# Altium PCB ebox-SPARK-拼板.PcbDoc (part 2 of 3)
Units mm, origin at the board's own origin, x right, y up, seen from the top; angles counter-clockwise.
Board outline 102 x 90 mm, 2 copper layers (Top Layer, Bottom Layer); 141 components, 68 nets, 621 pads, 146 vias.
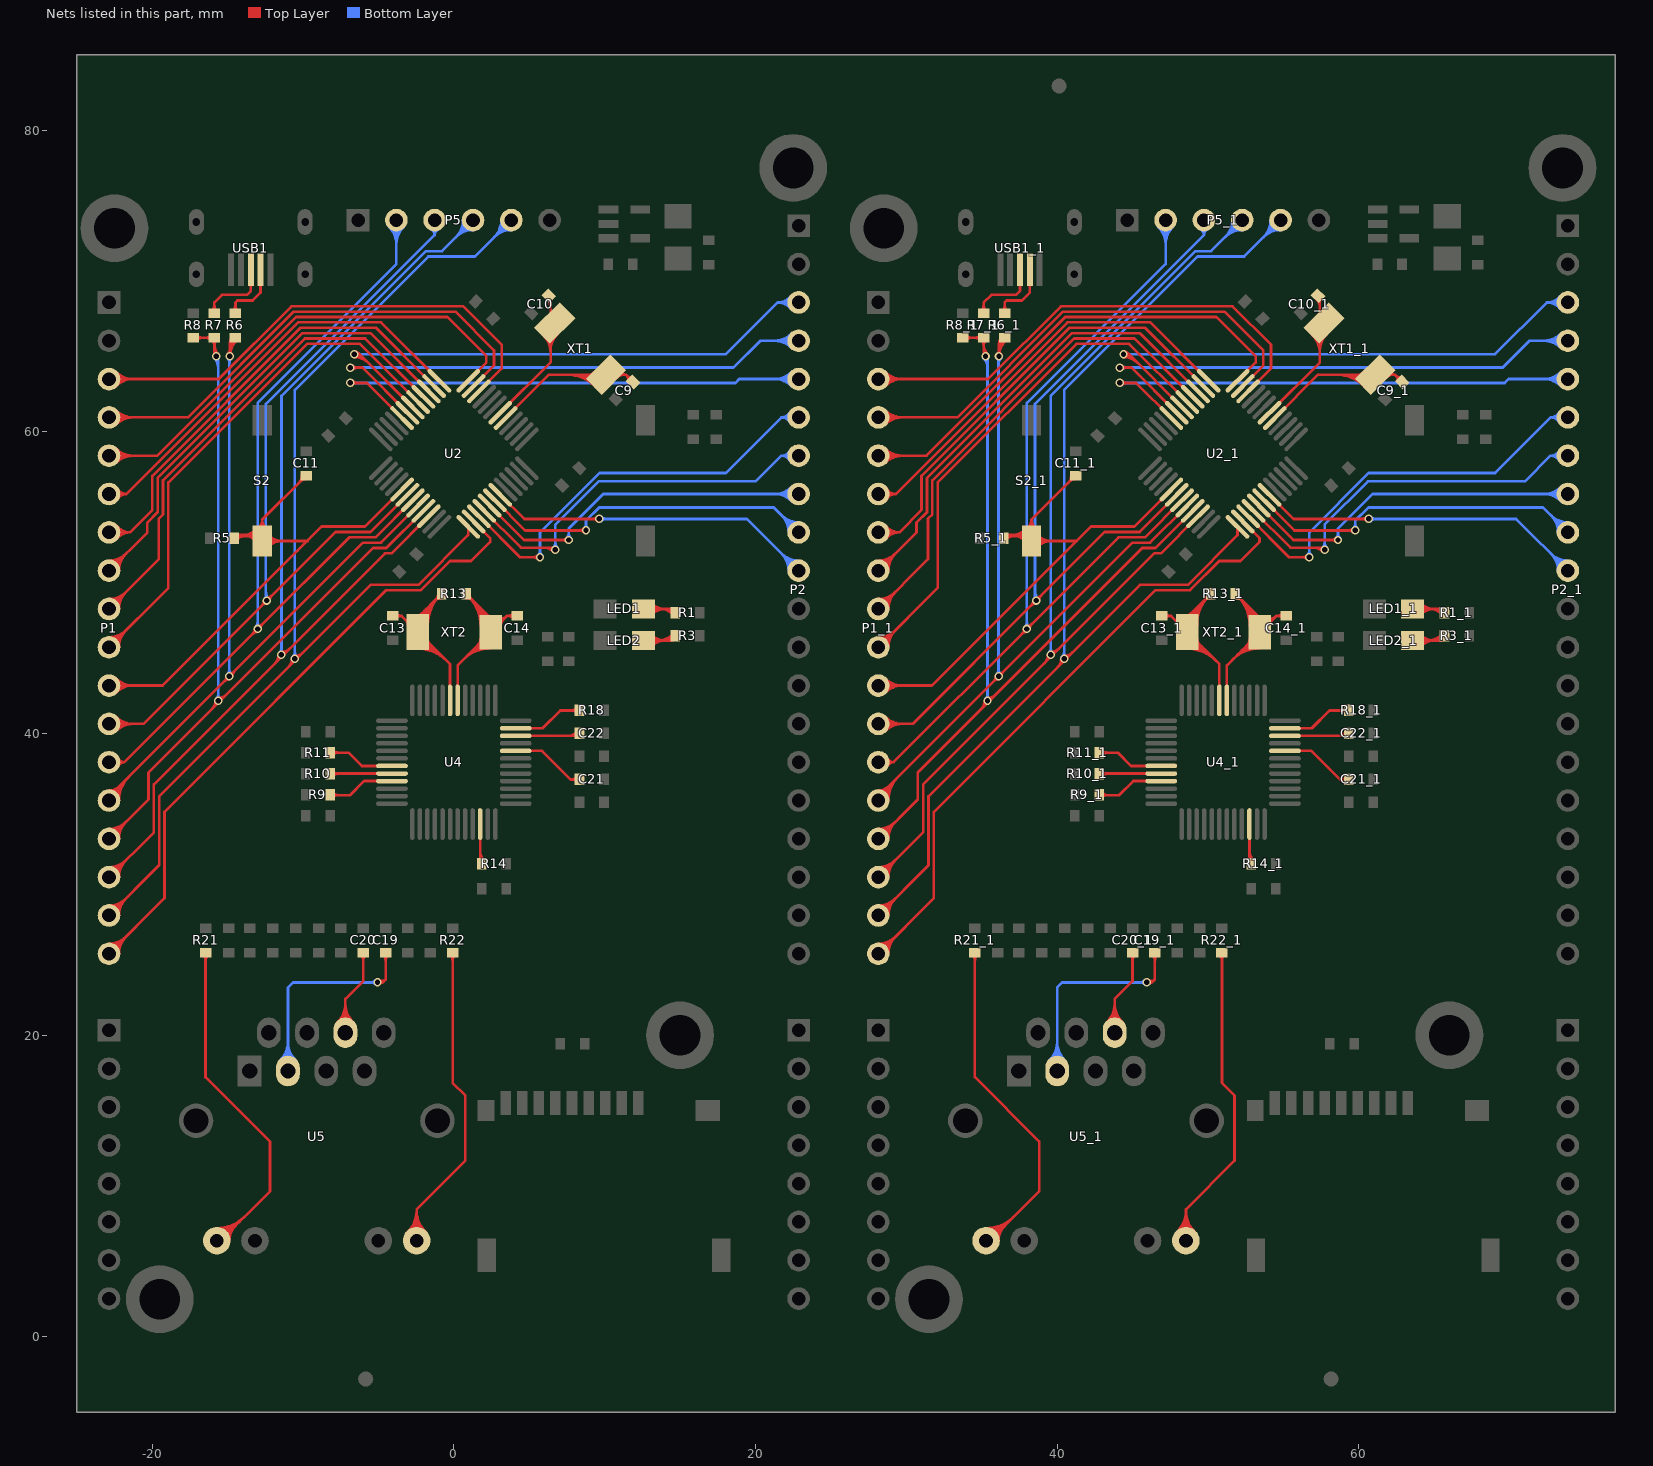
[diagram p2: the nets of this part, all layers, seen from the top]

## Via types
v1: diameter 0.559, hole 0.356, Top Layer to Bottom Layer, tented both sides, 140 vias
v2: diameter 1, hole 1, Top Layer to Bottom Layer, tented both sides, 4 vias
v3: diameter 1.27, hole 0.711, Top Layer to Bottom Layer, tented both sides, 2 vias

## Nets (pads, with @x,y where several pads share a name; then routed paths per layer and width w, separated by ;. In a path a pad name is that pad's centre, name@x,y a point inside that pad or via, vN(x,y) a via of type N, cw(c..) or ccw(c..) an arc to the next point about the centre after c; other vN are vias at no path point) (continued)
NetC9_1: C9.1 C9_1.1 U2.5 U2_1.5 XT1.1 XT1_1.1 | length 37.6
  Top Layer w0.178: U2.5@3.429,60.916 6.303,63.79 XT1.1@10.088,63.79 11.401,63.79 ; 7.527,63.79 cw(c7.527,61.228) XT1.1@9.338,63.04 ; 7.956,63.79 cw(c7.956,61.657) XT1.1@9.464,63.165 ; 8.385,63.79 cw(c8.385,62.087) XT1.1@9.589,63.291 ; 8.814,63.79 cw(c8.814,62.516) XT1.1@9.715,63.417 ; 8.892,63.79 ccw(c8.892,64.42) XT1.1@9.338,63.974 ; XT1.1@10.839,63.605 cw(c11.284,63.159) 11.284,63.79 ; XT1.1@10.853,64.115 ccw(c11.207,64.145) 11.207,63.79 ; XT1.1@11.03,64.13 ccw(c11.401,64.162) 11.401,63.79 ; C9.1@11.604,63.358 ccw(c11.052,63.358) 11.443,63.748 ccw(c11.833,64.138) C9.1@11.833,63.586 ; C9.1@11.878,63.313 11.401,63.79 ; U2_1.5@54.429,60.916 57.303,63.79 XT1_1.1@61.088,63.79 62.401,63.79 ; 58.527,63.79 cw(c58.527,61.228) XT1_1.1@60.338,63.04 ; 58.956,63.79 cw(c58.956,61.657) XT1_1.1@60.464,63.165 ; 59.385,63.79 cw(c59.385,62.087) XT1_1.1@60.589,63.291 ; 59.814,63.79 cw(c59.814,62.516) XT1_1.1@60.715,63.417 ; 59.892,63.79 ccw(c59.892,64.42) XT1_1.1@60.338,63.974 ; XT1_1.1@61.839,63.605 cw(c62.284,63.159) 62.284,63.79 ; XT1_1.1@61.853,64.115 ccw(c62.207,64.145) 62.207,63.79 ; XT1_1.1@62.03,64.13 ccw(c62.401,64.162) 62.401,63.79 ; C9_1.1@62.604,63.358 ccw(c62.052,63.358) 62.443,63.748 ccw(c62.833,64.138) C9_1.1@62.833,63.586 ; C9_1.1@62.878,63.313 62.401,63.79
NetC10_1: C10.1 C10_1.1 U2.6 U2_1.6 XT1.2 XT1_1.2 | length 30.8
  Top Layer w0.178: U2.6@3.076,61.269 6.417,64.61 6.417,68.647 6.417,68.901 C10.1@6.29,69.028 ; XT1.2@5.908,66.435 cw(c4.68,65.207) 6.417,65.207 ; XT1.2@6.034,66.56 cw(c5.109,65.636) 6.417,65.636 ; XT1.2@6.159,66.686 cw(c5.538,66.065) XT1.2@6.417,66.065 ; C10.1@6.173,68.821 cw(c5.585,68.233) 6.417,68.233 ; C10.1@6.299,68.947 cw(c6.014,68.662) C10.1@6.417,68.662 ; 6.417,65.406 cw(c7.872,65.406) XT1.2@6.843,66.435 ; 6.417,65.835 cw(c7.443,65.835) XT1.2@6.717,66.56 ; C10.1@6.417,68.629 cw(c6.688,68.629) C10.1@6.496,68.821 ; U2_1.6@54.076,61.269 57.417,64.61 57.417,68.647 57.417,68.901 C10_1.1@57.29,69.028 ; XT1_1.2@56.908,66.435 cw(c55.68,65.207) 57.417,65.207 ; XT1_1.2@57.034,66.56 cw(c56.109,65.636) 57.417,65.636 ; XT1_1.2@57.159,66.686 cw(c56.538,66.065) XT1_1.2@57.417,66.065 ; C10_1.1@57.173,68.821 cw(c56.585,68.233) 57.417,68.233 ; C10_1.1@57.299,68.947 cw(c57.014,68.662) C10_1.1@57.417,68.662 ; 57.417,65.406 cw(c58.872,65.406) XT1_1.2@57.843,66.435 ; 57.417,65.835 cw(c58.443,65.835) XT1_1.2@57.717,66.56 ; C10_1.1@57.417,68.629 cw(c57.688,68.629) C10_1.1@57.496,68.821
NetC13_2: C13.2 C13_1.2 R13.2 R13_1.2 U4.31 U4_1.31 XT2.2 XT2_1.2 | length 55.4
  Top Layer w0.178: C13.2@-4.064,47.803 -3.454,47.803 ; C13.2@-3.838,47.642 cw(c-3.454,47.265) -3.454,47.803 ; C13.2@-3.838,47.963 ccw(c-3.454,48.341) -3.454,47.803 ; -3.198,47.546 cw(c-3.558,47.186) XT2.2@-3.049,47.186 ; XT2.2@-2.438,47.186 cw(c-1.315,47.186) -2.109,47.98 ; XT2.2@-2.388,45.625 cw(c-2.388,42.942) -0.491,44.839 ; XT2.2@-2.388,45.803 cw(c-2.388,43.55) -0.794,45.143 ; XT2.2@-2.388,45.98 cw(c-2.388,44.157) -1.098,45.446 ; XT2.2@-2.388,46.158 cw(c-2.388,44.764) -1.401,45.75 ; XT2.2@-2.388,47.847 ccw(c-2.388,48.199) -2.139,47.95 ; XT2.2@-2.26,47.186 cw(c-0.708,47.186) -1.805,48.283 ; XT2.2@-2.082,47.186 cw(c-0.101,47.186) -1.502,48.587 ; XT2.2@-1.904,47.186 cw(c0.506,47.186) -1.198,48.891 ; XT2.2@-1.727,46.286 ccw(c-1.217,46.286) -1.577,45.926 ; XT2.2@-1.727,47.186 cw(c1.113,47.186) R13.2@-0.895,49.194 ; -1.311,48.777 cw(c-0.813,48.279) R13.2@-0.813,48.984 ; -1.158,48.931 ccw(c-1.44,49.212) R13.2@-1.041,49.212 ; R13.2@-0.813,49.276 -2.388,47.701 XT2.2@-2.388,46.736 ; U4.31@-0.25,42.2 -0.25,44.598 XT2.2@-2.388,46.736 ; C13_1.2@46.936,47.803 47.546,47.803 XT2_1.2@48.612,46.736 ; C13_1.2@47.162,47.642 cw(c47.546,47.265) 47.546,47.803 cw(c47.546,48.341) C13_1.2@47.162,47.963 ; 47.802,47.546 cw(c47.442,47.186) XT2_1.2@47.951,47.186 ; XT2_1.2@48.562,47.186 cw(c49.685,47.186) 48.891,47.98 ; XT2_1.2@48.612,45.625 cw(c48.612,42.942) 50.509,44.839 ; XT2_1.2@48.612,45.803 cw(c48.612,43.55) 50.206,45.143 ; XT2_1.2@48.612,45.98 cw(c48.612,44.157) 49.902,45.446 ; XT2_1.2@48.612,46.158 cw(c48.612,44.764) 49.599,45.75 ; XT2_1.2@48.612,47.847 ccw(c48.612,48.199) 48.861,47.95 ; XT2_1.2@48.74,47.186 cw(c50.292,47.186) 49.195,48.283 ; XT2_1.2@48.918,47.186 cw(c50.899,47.186) 49.498,48.587 ; XT2_1.2@49.096,47.186 cw(c51.506,47.186) 49.802,48.891 ; XT2_1.2@49.273,46.286 ccw(c49.783,46.286) 49.423,45.926 ; XT2_1.2@49.273,47.186 cw(c52.113,47.186) R13_1.2@50.105,49.194 ; 49.689,48.777 cw(c50.187,48.279) R13_1.2@50.187,48.984 ; 49.842,48.931 ccw(c49.56,49.212) R13_1.2@49.959,49.212 ; R13_1.2@50.187,49.276 48.612,47.701 XT2_1.2@48.612,46.736 ; U4_1.31@50.75,42.2 50.75,44.598 XT2_1.2@48.612,46.736 ; -3.454,47.803 XT2.2@-2.388,46.736
NetC14_1: C14.1 C14_1.1 R13.1 R13_1.1 U4.30 U4_1.30 XT2.1 XT2_1.1 | length 60.2
  Top Layer w0.178: U4.30@0.25,42.2 0.25,44.522 XT2.1@2.438,46.711 ; 0.627,44.899 cw(c2.438,43.088) XT2.1@2.438,45.649 ; R13.1@0.813,48.984 cw(c0.813,48.279) 1.311,48.777 ; R13.1@0.813,49.276 2.438,47.65 XT2.1@2.438,46.711 ; R13.1@0.928,49.161 cw(c-1.122,47.111) XT2.1@1.777,47.111 ; 0.931,45.203 cw(c2.438,43.695) XT2.1@2.438,45.827 ; R13.1@1.041,49.212 ccw(c1.44,49.212) 1.158,48.931 ; 1.232,48.857 cw(c-0.515,47.111) XT2.1@1.955,47.111 ; 1.234,45.506 cw(c2.438,44.302) XT2.1@2.438,46.005 ; 1.535,48.554 cw(c0.092,47.111) XT2.1@2.133,47.111 ; 1.538,45.81 cw(c2.438,44.909) XT2.1@2.438,46.183 ; 1.593,45.865 ccw(c1.147,46.311) XT2.1@1.777,46.311 ; 1.839,48.25 cw(c0.699,47.111) XT2.1@2.311,47.111 ; 2.142,47.947 cw(c1.306,47.111) XT2.1@2.489,47.111 ; XT2.1@2.231,47.857 ccw(c2.438,48.065) XT2.1@2.438,47.772 ; XT2.1@2.585,47.379 ccw(c2.831,47.83) 3.194,47.467 ; XT2.1@2.67,47.535 ccw(c2.949,48.048) 3.363,47.635 ; XT2.1@2.755,47.691 ccw(c3.068,48.265) 3.531,47.803 ; XT2.1@3.099,47.111 cw(c3.73,47.111) 3.284,47.556 ; C14.1@3.966,47.641 ccw(c3.576,47.251) 3.576,47.803 ccw(c3.576,48.355) C14.1@3.966,47.964 ; C14.1@4.191,47.803 3.531,47.803 ; U4_1.30@51.25,42.2 51.25,44.522 XT2_1.1@53.438,46.711 ; 51.627,44.899 cw(c53.438,43.088) XT2_1.1@53.438,45.649 ; R13_1.1@51.813,48.984 cw(c51.813,48.279) 52.311,48.777 ; R13_1.1@51.813,49.276 53.438,47.65 XT2_1.1@53.438,46.711 ; R13_1.1@51.928,49.161 cw(c49.878,47.111) XT2_1.1@52.777,47.111 ; 51.931,45.203 cw(c53.438,43.695) XT2_1.1@53.438,45.827 ; R13_1.1@52.041,49.212 ccw(c52.44,49.212) 52.158,48.931 ; 52.232,48.857 cw(c50.485,47.111) XT2_1.1@52.955,47.111 ; 52.234,45.506 cw(c53.438,44.302) XT2_1.1@53.438,46.005 ; 52.535,48.554 cw(c51.092,47.111) XT2_1.1@53.133,47.111 ; 52.538,45.81 cw(c53.438,44.909) XT2_1.1@53.438,46.183 ; 52.593,45.865 ccw(c52.147,46.311) XT2_1.1@52.777,46.311 ; 52.839,48.25 cw(c51.699,47.111) XT2_1.1@53.311,47.111 ; 53.142,47.947 cw(c52.306,47.111) XT2_1.1@53.489,47.111 ; XT2_1.1@53.231,47.857 ccw(c53.438,48.065) XT2_1.1@53.438,47.772 ; XT2_1.1@53.585,47.379 ccw(c53.831,47.83) 54.194,47.467 ; XT2_1.1@53.67,47.535 ccw(c53.949,48.048) 54.363,47.635 ; XT2_1.1@53.755,47.691 ccw(c54.068,48.265) 54.531,47.803 ; XT2_1.1@54.099,47.111 cw(c54.73,47.111) 54.284,47.556 ; C14_1.1@54.966,47.641 ccw(c54.576,47.251) 54.576,47.803 ccw(c54.576,48.355) C14_1.1@54.966,47.964 ; C14_1.1@55.191,47.803 54.531,47.803 ; XT2.1@2.438,46.711 3.531,47.803 ; XT2_1.1@53.438,46.711 54.531,47.803
NetC19_1: C19.1 C19_1.1 U5.3 U5_1.3 | length 44.8
  Top Layer w0.178: v1(-5.061,23.509) -4.711,23.509 -4.521,23.698 ; v1@-5.054,23.519 ccw(c-4.88,23.761) -4.669,23.55 ; v1@-4.95,23.663 ccw(c-4.756,23.933) -4.521,23.698 ; C19.1@-4.683,25.315 cw(c-5.073,24.924) -4.521,24.924 cw(c-3.969,24.924) C19.1@-4.36,25.315 ; C19.1@-4.521,25.476 -4.521,23.698 ; v1(45.939,23.509) 46.289,23.509 46.479,23.698 ; v1@45.946,23.519 ccw(c46.12,23.761) 46.331,23.55 ; v1@46.05,23.663 ccw(c46.244,23.933) 46.479,23.698 ; C19_1.1@46.317,25.315 cw(c45.927,24.924) 46.479,24.924 cw(c47.031,24.924) C19_1.1@46.64,25.315 ; C19_1.1@46.479,25.476 46.479,23.698
  Bottom Layer w0.178: U5.3@-11.493,18.35 ccw(c-12.685,19.543) -10.999,19.543 ccw(c-9.312,19.543) U5.3@-10.505,18.35 ; U5.3@-11.367,18.224 ccw(c-12.256,19.113) -10.999,19.113 ccw(c-9.742,19.113) U5.3@-10.63,18.224 ; U5.3@-11.241,18.099 ccw(c-11.826,18.684) -10.999,18.684 ccw(c-10.171,18.684) U5.3@-10.756,18.099 ; U5.3@-10.999,17.628 -10.999,23.164 -10.668,23.495 -5.064,23.495 -5.061,23.498 v1(-5.061,23.509) ; -5.554,23.495 ccw(c-5.554,24.001) v1@-5.196,23.643 ; -5.488,23.495 cw(c-5.488,23.081) v1@-5.196,23.374 ; U5_1.3@39.507,18.35 ccw(c38.315,19.543) 40.001,19.543 ccw(c41.688,19.543) U5_1.3@40.495,18.35 ; U5_1.3@39.633,18.224 ccw(c38.744,19.113) 40.001,19.113 ccw(c41.258,19.113) U5_1.3@40.37,18.224 ; U5_1.3@39.759,18.099 ccw(c39.174,18.684) 40.001,18.684 ccw(c40.829,18.684) U5_1.3@40.244,18.099 ; U5_1.3@40.001,17.628 40.001,23.164 40.332,23.495 45.936,23.495 45.939,23.498 v1(45.939,23.509) ; 45.446,23.495 ccw(c45.446,24.001) v1@45.804,23.643 ; 45.512,23.495 cw(c45.512,23.081) v1@45.804,23.374
NetC20_1: C20.1 C20_1.1 U5.6 U5_1.6 | length 29.6
  Top Layer w0.178: U5.6@-7.683,20.89 ccw(c-8.875,22.083) -7.189,22.083 ccw(c-5.502,22.083) U5.6@-6.695,20.89 ; U5.6@-7.557,20.764 ccw(c-8.446,21.653) -7.189,21.653 ccw(c-5.932,21.653) U5.6@-6.82,20.764 ; U5.6@-7.431,20.639 ccw(c-8.016,21.224) -7.189,21.224 ccw(c-6.361,21.224) U5.6@-6.946,20.639 ; U5.6@-7.189,20.168 -7.189,22.402 -6.003,23.588 C20.1@-6.003,25.476 -6.003,24.13 ; U5_1.6@43.317,20.89 ccw(c42.125,22.083) 43.811,22.083 ccw(c45.498,22.083) U5_1.6@44.305,20.89 ; U5_1.6@43.443,20.764 ccw(c42.554,21.653) 43.811,21.653 ccw(c45.068,21.653) U5_1.6@44.18,20.764 ; U5_1.6@43.569,20.639 ccw(c42.984,21.224) 43.811,21.224 ccw(c44.639,21.224) U5_1.6@44.054,20.639 ; U5_1.6@43.811,20.168 43.811,22.402 44.997,23.588 C20_1.1@44.997,25.476 44.997,24.13 ; -6.003,24.924 cw(c-5.451,24.924) -5.841,25.315 ccw(c-5.451,24.924) -6.003,24.924 ; -6.003,24.924 ccw(c-6.555,24.924) -6.165,25.315 cw(c-6.555,24.924) -6.003,24.924 ; 44.997,24.924 cw(c45.549,24.924) 45.159,25.315 ccw(c45.549,24.924) 44.997,24.924 ; 44.997,24.924 ccw(c44.445,24.924) 44.835,25.315 cw(c44.445,24.924) 44.997,24.924
NetC21_2: C21.2 C21_1.2 U4.20 U4_1.20 | length 11.8
  Top Layer w0.178: U4.20@4.1,38.85 5.854,38.85 7.747,36.957 C21.2@8.331,36.957 ; C21.2@8.17,36.795 ccw(c7.779,36.405) 7.779,36.957 ccw(c7.779,37.509) C21.2@8.17,37.119 ; U4_1.20@55.1,38.85 56.854,38.85 58.747,36.957 C21_1.2@59.331,36.957 ; C21_1.2@59.17,36.795 ccw(c58.779,36.405) 58.779,36.957 ccw(c58.779,37.509) C21_1.2@59.17,37.119
NetC22_2: C22.2 C22_1.2 U4.22 U4_1.22 | length 11
  Top Layer w0.178: U4.22@4.1,39.85 8.176,39.85 C22.2@8.331,40.005 ; 7.558,39.85 ccw(c7.558,40.714) C22.2@8.17,40.103 ; 7.988,39.85 ccw(c7.988,40.285) C22.2@8.295,39.977 ; 8,39.85 cw(c8,39.611) C22.2@8.17,39.78 ; U4_1.22@55.1,39.85 59.176,39.85 C22_1.2@59.331,40.005 ; 58.558,39.85 ccw(c58.558,40.714) C22_1.2@59.17,40.103 ; 58.988,39.85 ccw(c58.988,40.285) C22_1.2@59.295,39.977 ; 59,39.85 cw(c59,39.611) C22_1.2@59.17,39.78
NetLED1_A: LED1.A LED1_1.A R1.2 R1_1.2 | length 13.6
  Top Layer w0.178: LED1.A@12.573,48.26 R1.2@14.427,48.26 ; LED1.A@12.963,48.007 cw(c13.575,47.395) 13.575,48.26 cw(c13.575,49.125) LED1.A@12.963,48.513 ; LED1.A@13.089,47.881 cw(c14.004,46.966) 14.004,48.26 cw(c14.004,49.554) LED1.A@13.089,48.639 ; 13.669,48.26 cw(c13.669,47.058) R1.2@14.52,47.908 ; 14.099,48.26 cw(c14.099,47.487) R1.2@14.645,48.034 ; LED1_1.A@63.573,48.26 R1_1.2@65.427,48.26 ; LED1_1.A@63.963,48.007 cw(c64.575,47.395) 64.575,48.26 cw(c64.575,49.125) LED1_1.A@63.963,48.513 ; LED1_1.A@64.089,47.881 cw(c65.004,46.966) 65.004,48.26 cw(c65.004,49.554) LED1_1.A@64.089,48.639 ; 64.669,48.26 cw(c64.669,47.058) R1_1.2@65.52,47.908 ; 65.099,48.26 cw(c65.099,47.487) R1_1.2@65.645,48.034
NetLED2_A: LED2.A LED2_1.A R3.2 R3_1.2 | length 15.9
  Top Layer w0.178: LED2.A@12.573,46.164 14.364,46.164 R3.2@14.681,46.482 ; LED2.A@12.963,45.911 cw(c13.575,45.299) 13.575,46.164 cw(c13.575,47.03) LED2.A@12.963,46.418 ; LED2.A@13.089,45.785 cw(c14.004,44.87) 14.004,46.164 cw(c14.004,47.459) LED2.A@13.089,46.544 ; 13.516,46.164 ccw(c13.516,47.584) R3.2@14.52,46.58 ; 13.945,46.164 ccw(c13.945,47.154) R3.2@14.645,46.454 ; R3.2@14.375,46.164 ccw(c14.375,46.725) R3.2@14.771,46.329 ; LED2_1.A@63.573,46.164 65.364,46.164 R3_1.2@65.681,46.482 ; LED2_1.A@63.963,45.911 cw(c64.575,45.299) 64.575,46.164 cw(c64.575,47.03) LED2_1.A@63.963,46.418 ; LED2_1.A@64.089,45.785 cw(c65.004,44.87) 65.004,46.164 cw(c65.004,47.459) LED2_1.A@64.089,46.544 ; 64.516,46.164 ccw(c64.516,47.584) R3_1.2@65.52,46.58 ; 64.945,46.164 ccw(c64.945,47.154) R3_1.2@65.645,46.454 ; R3_1.2@65.375,46.164 ccw(c65.375,46.725) R3_1.2@65.771,46.329
NetR6_2: R6.2 R6_1.2 USB1.2 USB1_1.2 | length 11.2
  Top Layer w0.178: R6.2@-14.64,68.03 ccw(c-15.03,68.421) -14.478,68.421 ccw(c-13.926,68.421) R6.2@-14.316,68.03 ; R6.2@-14.478,67.869 -14.478,68.58 -14.351,68.707 -13.335,68.707 -12.812,69.23 USB1.2@-12.812,70.881 ; USB1.2@-12.891,69.8 cw(c-13.08,69.611) -12.812,69.611 cw(c-12.544,69.611) USB1.2@-12.733,69.8 ; R6_1.2@36.36,68.03 ccw(c35.97,68.421) 36.522,68.421 ccw(c37.074,68.421) R6_1.2@36.684,68.03 ; R6_1.2@36.522,67.869 36.522,68.58 36.649,68.707 37.665,68.707 38.188,69.23 USB1_1.2@38.188,70.881 ; USB1_1.2@38.109,69.8 cw(c37.92,69.611) 38.188,69.611 cw(c38.456,69.611) USB1_1.2@38.267,69.8
NetR7_2: R7.2 R7_1.2 USB1.3 USB1_1.3 | length 12.5
  Top Layer w0.178: R7.2@-16.037,68.03 ccw(c-16.427,68.421) -15.875,68.421 ccw(c-15.323,68.421) R7.2@-15.713,68.03 ; R7.2@-15.875,67.869 -15.875,68.58 -15.367,69.088 -13.716,69.088 -13.462,69.342 USB1.3@-13.462,70.881 ; USB1.3@-13.541,69.8 cw(c-13.73,69.611) -13.462,69.611 cw(c-13.194,69.611) USB1.3@-13.383,69.8 ; R7_1.2@34.963,68.03 ccw(c34.573,68.421) 35.125,68.421 ccw(c35.677,68.421) R7_1.2@35.287,68.03 ; R7_1.2@35.125,67.869 35.125,68.58 35.633,69.088 37.284,69.088 37.538,69.342 USB1_1.3@37.538,70.881 ; USB1_1.3@37.459,69.8 cw(c37.27,69.611) 37.538,69.611 cw(c37.806,69.611) USB1_1.3@37.617,69.8
NetR9_1: R9.1 R9_1.1 U4.45 U4_1.45 | length 10.7
  Top Layer w0.178: R9.1@-8.204,35.909 -6.89,35.909 -5.949,36.85 U4.45@-4.1,36.85 ; R9.1@-8.043,35.779 cw(c-7.729,35.466) -7.729,35.909 ; R9.1@-8.043,36.103 ccw(c-7.576,36.57) -7.576,35.909 ; R9_1.1@42.796,35.909 44.11,35.909 45.051,36.85 U4_1.45@46.9,36.85 ; R9_1.1@42.957,35.779 cw(c43.271,35.466) 43.271,35.909 ; R9_1.1@42.957,36.103 ccw(c43.424,36.57) 43.424,35.909
NetR10_1: R10.1 R10_1.1 U4.44 U4_1.44 | length 10
  Top Layer w0.178: R10.1@-8.204,37.338 -8.192,37.35 U4.44@-4.1,37.35 ; R10.1@-8.043,37.176 cw(c-7.623,36.757) -7.623,37.35 ; R10.1@-8.043,37.5 ccw(c-7.681,37.861) -7.681,37.35 ; R10_1.1@42.796,37.338 42.808,37.35 U4_1.44@46.9,37.35 ; R10_1.1@42.957,37.176 cw(c43.377,36.757) 43.377,37.35 ; R10_1.1@42.957,37.5 ccw(c43.319,37.861) 43.319,37.35
NetR11_1: R11.1 R11_1.1 U4.43 U4_1.43 | length 10.7
  Top Layer w0.178: R11.1@-8.204,38.735 -6.985,38.735 -6.1,37.85 U4.43@-4.1,37.85 ; R11.1@-8.043,38.573 cw(c-7.652,38.183) -7.652,38.735 cw(c-7.652,39.287) R11.1@-8.043,38.897 ; R11_1.1@42.796,38.735 44.015,38.735 44.9,37.85 U4_1.43@46.9,37.85 ; R11_1.1@42.957,38.573 cw(c43.348,38.183) 43.348,38.735 cw(c43.348,39.287) R11_1.1@42.957,38.897
NetR14_1: R14.1 R14_1.1 U4.10 U4_1.10 | length 7.3
  Top Layer w0.178: R14.1@1.693,31.594 ccw(c1.554,31.733) R14.1@1.75,31.733 ; R14.1@1.75,31.6 U4.10@1.75,34 ; 1.75,31.807 ccw(c2.228,31.807) R14.1@1.89,31.468 ; 1.75,32.236 ccw(c2.658,32.236) R14.1@2.016,31.594 ; R14_1.1@52.693,31.594 ccw(c52.554,31.733) R14_1.1@52.75,31.733 ; R14_1.1@52.75,31.6 U4_1.10@52.75,34 ; 52.75,31.807 ccw(c53.228,31.807) R14_1.1@52.89,31.468 ; 52.75,32.236 ccw(c53.658,32.236) R14_1.1@53.016,31.594
NetR18_2: R18.2 R18_1.2 U4.23 U4_1.23 | length 11.2
  Top Layer w0.178: U4.23@4.1,40.35 5.878,40.35 7.057,41.529 R18.2@8.331,41.529 ; R18.2@8.17,41.367 ccw(c7.779,40.977) 7.779,41.529 ccw(c7.779,42.081) R18.2@8.17,41.691 ; U4_1.23@55.1,40.35 56.878,40.35 58.057,41.529 R18_1.2@59.331,41.529 ; R18_1.2@59.17,41.367 ccw(c58.779,40.977) 58.779,41.529 ccw(c58.779,42.081) R18_1.2@59.17,41.691
NetR21_2: R21.2 R21_1.2 U5.9 U5_1.9 | length 62.6
  Top Layer w0.178: R21.2@-16.621,25.315 cw(c-17.011,24.924) -16.459,24.924 cw(c-15.907,24.924) R21.2@-16.298,25.315 ; R21.2@-16.459,25.476 -16.459,17.221 -12.192,12.954 -12.192,9.652 -15.466,6.378 U5.9@-15.714,6.378 ; U5.9@-15.714,6.67 ccw(c-15.714,7.972) -14.793,7.051 ; U5.9@-15.714,6.848 ccw(c-15.714,8.579) -14.489,7.355 ; U5.9@-15.714,7.025 ccw(c-15.714,9.186) -14.186,7.658 ; U5.9@-15.714,7.203 ccw(c-15.714,9.793) -13.882,7.962 ; U5.9@-15.066,6.378 cw(c-14.099,6.378) -14.783,7.061 ; U5.9@-14.888,6.378 cw(c-13.492,6.378) -14.479,7.365 ; R21_1.2@34.379,25.315 cw(c33.989,24.924) 34.541,24.924 cw(c35.093,24.924) R21_1.2@34.702,25.315 ; R21_1.2@34.541,25.476 34.541,17.221 38.808,12.954 38.808,9.652 35.534,6.378 U5_1.9@35.286,6.378 ; U5_1.9@35.286,6.67 ccw(c35.286,7.972) 36.207,7.051 ; U5_1.9@35.286,6.848 ccw(c35.286,8.579) 36.511,7.355 ; U5_1.9@35.286,7.025 ccw(c35.286,9.186) 36.814,7.658 ; U5_1.9@35.286,7.203 ccw(c35.286,9.793) 37.118,7.962 ; U5_1.9@35.934,6.378 cw(c36.901,6.378) 36.217,7.061 ; U5_1.9@36.112,6.378 cw(c37.508,6.378) 36.521,7.365
NetR22_2: R22.2 R22_1.2 U5.12 U5_1.12 | length 58
  Top Layer w0.178: U5.12@-3.048,6.961 ccw(c-4.457,8.371) -2.464,8.371 ccw(c-0.471,8.371) U5.12@-1.88,6.961 ; U5.12@-2.922,6.836 ccw(c-4.028,7.941) -2.464,7.941 ccw(c-0.901,7.941) U5.12@-2.006,6.836 ; U5.12@-2.796,6.71 ccw(c-3.599,7.512) -2.464,7.512 ccw(c-1.33,7.512) U5.12@-2.132,6.71 ; U5.12@-2.464,6.378 -2.464,8.458 0.762,11.684 0.762,16.002 -0.076,16.84 -0.076,18.085 -0.076,18.161 R22.2@-0.076,25.476 ; R22.2@-0.238,25.315 cw(c-0.628,24.924) -0.076,24.924 cw(c0.476,24.924) R22.2@0.085,25.315 ; U5_1.12@47.952,6.961 ccw(c46.543,8.371) 48.536,8.371 ccw(c50.529,8.371) U5_1.12@49.12,6.961 ; U5_1.12@48.078,6.836 ccw(c46.972,7.941) 48.536,7.941 ccw(c50.099,7.941) U5_1.12@48.994,6.836 ; U5_1.12@48.204,6.71 ccw(c47.401,7.512) 48.536,7.512 ccw(c49.67,7.512) U5_1.12@48.868,6.71 ; U5_1.12@48.536,6.378 48.536,8.458 51.762,11.684 51.762,16.002 50.924,16.84 50.924,18.085 50.924,18.161 R22_1.2@50.924,25.476 ; R22_1.2@50.762,25.315 cw(c50.372,24.924) 50.924,24.924 cw(c51.476,24.924) R22_1.2@51.085,25.315
PA0: P1.3 P1_1.3 U2.10 U2_1.10 | length 74.3
  Top Layer w0.178: P1.3@-22.86,63.5 -15.585,63.5 -10.759,68.326 0.635,68.326 3.175,65.786 3.175,64.197 U2.10@1.662,62.684 ; P1.3@-22.518,63.158 cw(c-21.693,62.333) -21.693,63.5 cw(c-21.693,64.667) P1.3@-22.518,63.842 ; P1.3@-22.393,63.033 cw(c-21.264,61.904) -21.264,63.5 cw(c-21.264,65.096) P1.3@-22.393,63.967 ; P1_1.3@28.14,63.5 35.415,63.5 40.241,68.326 51.635,68.326 54.175,65.786 54.175,64.197 U2_1.10@52.662,62.684 ; P1_1.3@28.482,63.158 cw(c29.307,62.333) 29.307,63.5 cw(c29.307,64.667) P1_1.3@28.482,63.842 ; P1_1.3@28.607,63.033 cw(c29.736,61.904) 29.736,63.5 cw(c29.736,65.096) P1_1.3@28.607,63.967
PA1: P1.4 P1_1.4 U2.11 U2_1.11 | length 73.5
  Top Layer w0.178: P1.4@-22.86,60.96 -17.622,60.96 -10.612,67.97 0.102,67.97 2.667,65.405 2.667,64.396 U2.11@1.308,63.037 ; P1.4@-22.518,60.618 cw(c-21.693,59.793) -21.693,60.96 cw(c-21.693,62.127) P1.4@-22.518,61.302 ; P1.4@-22.393,60.493 cw(c-21.264,59.364) -21.264,60.96 cw(c-21.264,62.556) P1.4@-22.393,61.427 ; P1_1.4@28.14,60.96 33.378,60.96 40.388,67.97 51.102,67.97 53.667,65.405 53.667,64.396 U2_1.11@52.308,63.037 ; P1_1.4@28.482,60.618 cw(c29.307,59.793) 29.307,60.96 cw(c29.307,62.127) P1_1.4@28.482,61.302 ; P1_1.4@28.607,60.493 cw(c29.736,59.364) 29.736,60.96 cw(c29.736,62.556) P1_1.4@28.607,61.427
PA2: P1.5 P1_1.5 U2.12 U2_1.12 | length 72.7
  Top Layer w0.178: P1.5@-22.86,58.42 -19.659,58.42 -10.465,67.615 -0.432,67.615 2.159,65.024 2.159,64.595 U2.12@0.955,63.391 ; P1.5@-22.518,58.078 cw(c-21.693,57.253) -21.693,58.42 cw(c-21.693,59.587) P1.5@-22.518,58.762 ; P1.5@-22.393,57.953 cw(c-21.264,56.824) -21.264,58.42 cw(c-21.264,60.016) P1.5@-22.393,58.887 ; P1_1.5@28.14,58.42 31.341,58.42 40.535,67.615 50.568,67.615 53.159,65.024 53.159,64.595 U2_1.12@51.955,63.391 ; P1_1.5@28.482,58.078 cw(c29.307,57.253) 29.307,58.42 cw(c29.307,59.587) P1_1.5@28.482,58.762 ; P1_1.5@28.607,57.953 cw(c29.736,56.824) 29.736,58.42 cw(c29.736,60.016) P1_1.5@28.607,58.887
PA3: P1.6 P1_1.6 U2.13 U2_1.13 | length 61.4
  Top Layer w0.178: P1.6@-22.86,55.88 -21.697,55.88 ; P1.6@-22.445,55.633 cw(c-22.01,55.373) -22.01,55.88 cw(c-22.01,56.387) P1.6@-22.445,56.127 ; P1.6@-22.292,55.542 cw(c-21.697,55.187) -21.697,55.88 ; P1.6@-22.292,56.218 ccw(c-21.697,56.573) -21.697,55.88 ; U2.13@-0.955,63.391 -4.823,67.259 -10.317,67.259 -21.697,55.88 ; P1_1.6@28.14,55.88 29.303,55.88 ; P1_1.6@28.555,55.633 cw(c28.99,55.373) 28.99,55.88 cw(c28.99,56.387) P1_1.6@28.555,56.127 ; P1_1.6@28.708,55.542 cw(c29.303,55.187) 29.303,55.88 ; P1_1.6@28.708,56.218 ccw(c29.303,56.573) 29.303,55.88 ; U2_1.13@50.045,63.391 46.177,67.259 40.683,67.259 29.303,55.88